# Altium PCB PCB_Kasli.PCBDOC (part 11 of 16)
Units mm, origin at the board's own origin, x right, y up, seen from the top; angles counter-clockwise.
Board outline 200.3 x 100 mm, 6 copper layers (TopLayer, MidLayer1, MidLayer2, SignalLayer1, Internal Plane 1, BottomLayer), stack 1.528 mm thick; 775 components, 636 nets, 3136 pads, 1724 vias.
Unrouted connection lines stored in the file: 7.
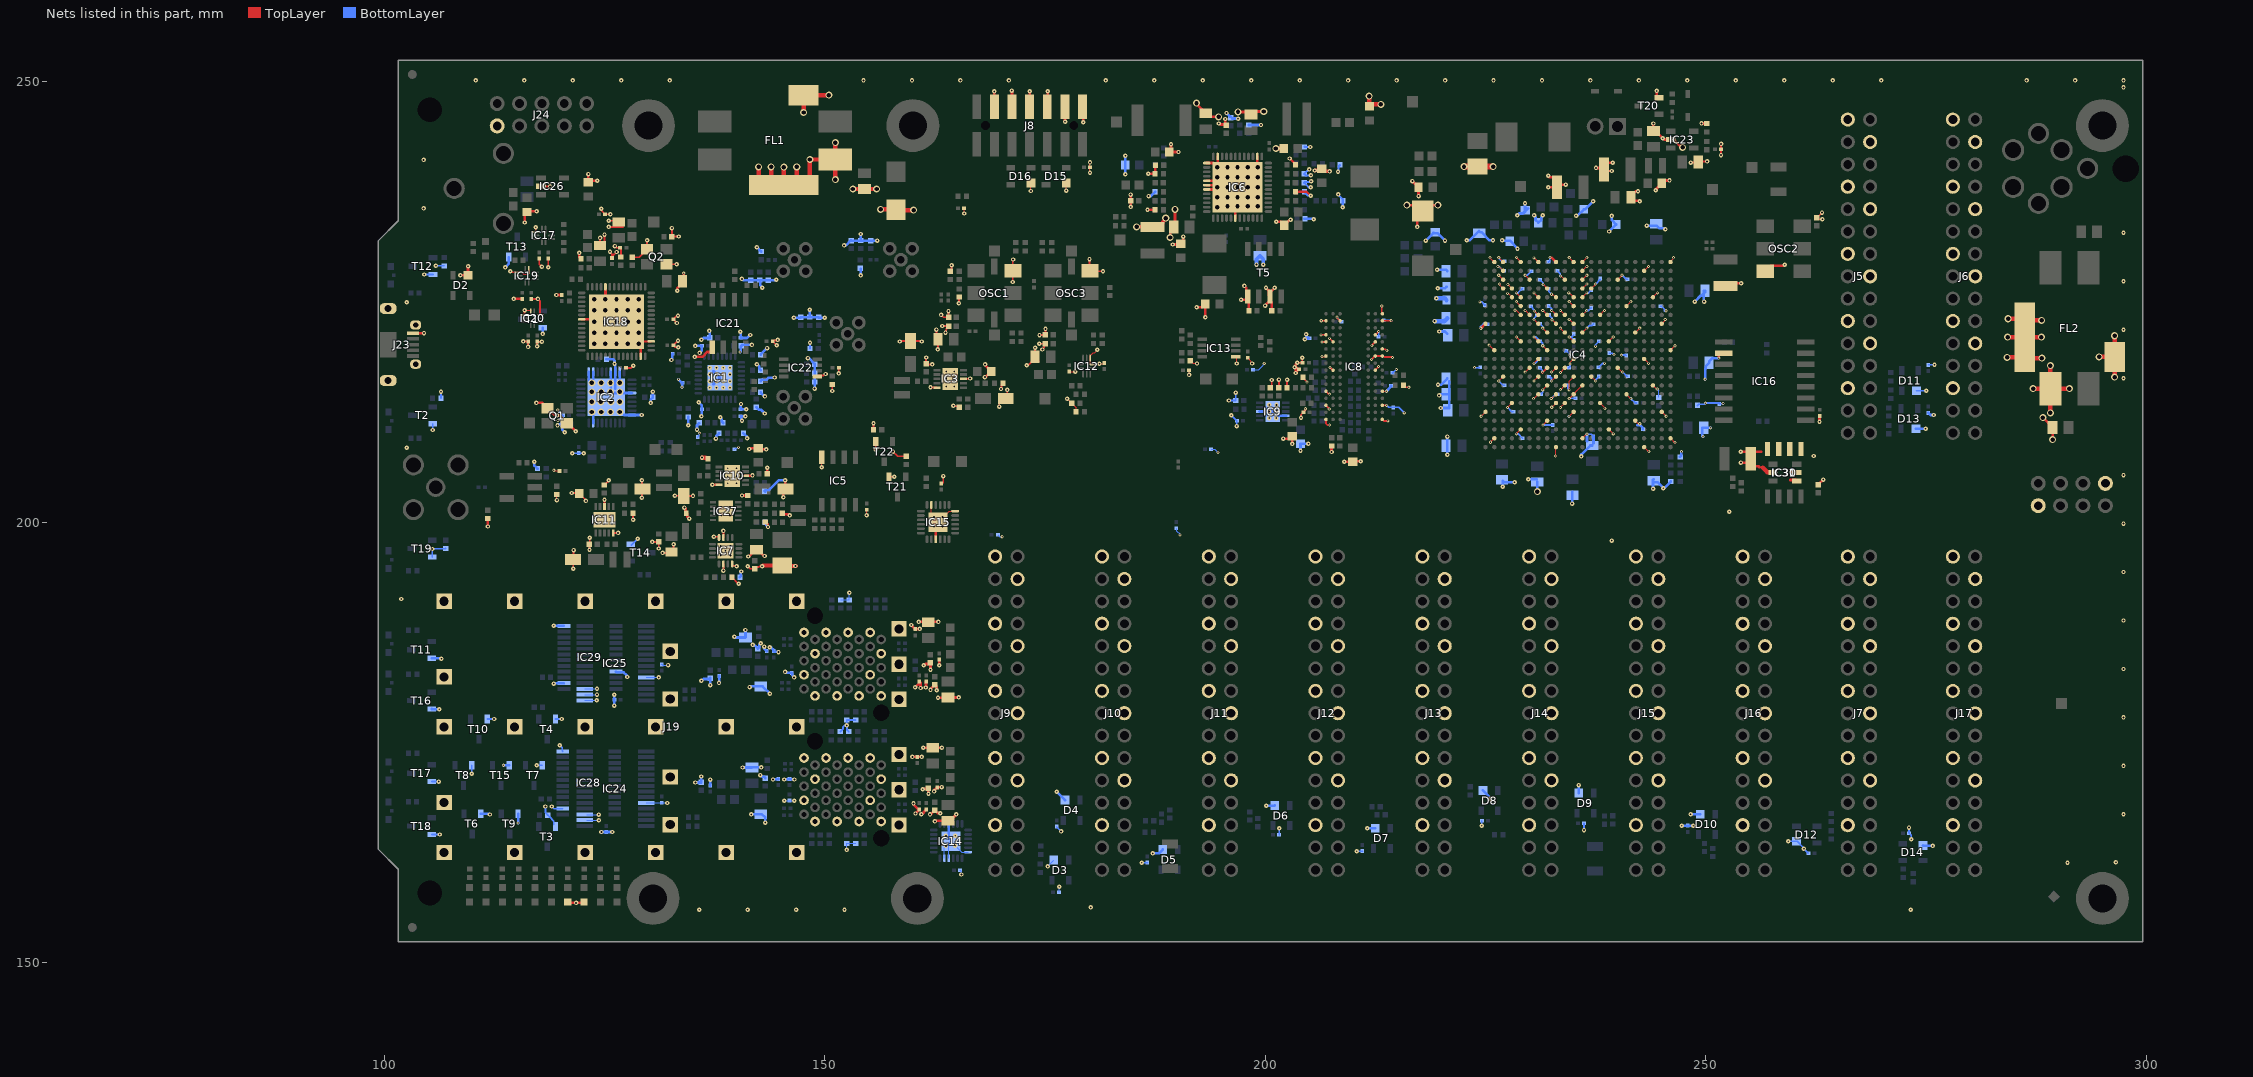
[diagram p15: the nets of this part, all layers, seen from the top]

## Via types
v1: diameter 0.5, hole 0.2, TopLayer to BottomLayer, tented both sides, 845 vias
v2: diameter 0.35, hole 0.15, TopLayer to BottomLayer, tented both sides, 612 vias
v3: diameter 0.8, hole 0.5, TopLayer to BottomLayer, tented both sides, 144 vias
v4: diameter 0.8, hole 0.5, TopLayer to BottomLayer, 66 vias
v5: diameter 0.5, hole 0.2, TopLayer to BottomLayer, 57 vias

## Nets (pads, with @x,y where several pads share a name; then routed paths per layer and width w, separated by ;. In a path a pad name is that pad's centre, name@x,y a point inside that pad or via, vN(x,y) a via of type N, cw(c..) or ccw(c..) an arc to the next point about the centre after c; other vN are vias at no path point) (continued)
GND: C3.1 C5.1 C9.2 C12.1 C13.2 C14.1 C15.1 C16.1 C17.1 C18.1 C19.2 C23.1 C24.1 C25.1 C26.1 C28.1 C29.1 C30.1 C31.1 C32.1 C33.1 C34.1 C35.1 C36.1 C37.1 C38.1 C39.1 C40.1 C41.1 C42.1 C43.1 C44.1 C45.2 C46.1 C47.1 C48.1 C49.1 C52.1 C53.1 C54.1 C55.1 C56.1 C57.1 C58.1 C59.1 C60.1 C61.1 C62.1 C63.1 C64.1 C65.1 C66.1 C67.1 C68.1 C69.1 C70.1 C71.1 C72.1 C73.1 C74.1 C75.1 C76.1 C77.1 C78.1 C79.1 C80.1 C81.1 C82.1 C83.1 C84.1 C85.1 C86.1 C87.1 C88.1 C89.1 C90.1 C91.2 C92.1 C93.1 C94.1 C95.1 C96.1 C97.1 C98.1 C99.1 C100.1 C101.1 C102.1 C103.1 C104.1 C105.1 C106.1 C107.1 C108.1 C109.1 C110.1 C111.1 C112.1 C113.1 C114.1 C115.1 C116.1 C117.1 C118.1 C119.1 C120.1 C121.1 C122.1 C123.1 C124.1 C125.1 C127.1 C128.1 C129.1 C130.1 C131.1 C132.1 C133.1 C135.1 C136.1 C137.1 C138.1 C141.1 C142.1 C144.1 C145.1 C146.1 C147.1 C148.1 C149.1 C152.1 C153.1 C154.1 C156.1 C157.1 C158.1 C160.1 C161.1 C162.1 C163.1 C164.1 C165.1 C166.1 C167.1 C168.1 C169.1 C170.1 C171.1 C172.1 C173.1 C174.1 C175.1 C176.1 C177.1 C178.1 C179.1 C180.1 C181.1 C182.1 C183.1 C184.1 C185.1 C186.1 C187.1 C190.1 C191.1 C192.1 C193.1 C194.1 C195.1 C196.1 C197.1 C198.1 C199.1 C200.1 C201.1 C202.1 C203.1 C204.1 C205.1 C206.1 C207.1 C208.1 C209.1 C210.1 C211.1 C212.1 C213.1 C214.1 C215.1 C216.1 C217.1 C218.1 C219.1 C220.1 C221.1 C222.1 C223.1 C224.1 C225.2 C226.1 C227.1 C229.1 C230.1 C231.1 C232.1 C233.1 C234.1 C235.1 C238.1 C239.1 C240.1 C241.1 C242.1 C243.1 C244.1 C245.1 C258.1 C259.1 C260.1 C261.1 C262.1 C263.1 C264.1 C265.1 C266.1 C267.1 C268.1 C269.1 C270.1 C271.1 C272.1 C273.1 C274.1 C275.1 C276.1 C277.1 C278.1 C279.1 C280.1 C281.1 C286.2 C287.1 C288.1 C289.1 C290.1 C291.1 C293.1 C296.1 C297.1 C298.1 C299.2 C300.2 C304.1 C305.1 C306.1 C307.1 D1.2 D2.1 D3.1 D4.1 D5.1 D6.1 D7.1 D8.1 D9.1 D10.1 D11.1 D12.1 D13.1 D14.1 D15.1 D16.1 D19.2 FL1.4 FL2.4 IC1.33 IC2.8 IC2.19 IC2.20 IC2.24 IC2.25 IC2.26 IC2.31 IC2.36 IC2.37 IC3.5 IC3.8 IC3.11 IC4.A2 IC4.A3 IC4.A5 IC4.A7 IC4.A9 IC4.A11 IC4.A12 IC4.A22 IC4.AA2 IC4.AA12 IC4.AA22 IC4.AB9 IC4.AB19 IC4.B3 IC4.B12 IC4.B19 IC4.C3 IC4.C6 IC4.C10 IC4.C12 IC4.C16 IC4.D3 IC4.D4 IC4.D8 IC4.D12 IC4.D13 IC4.E4 IC4.E5 IC4.E7 IC4.E9 IC4.E11 IC4.E12 IC4.E20 IC4.F5 IC4.F11 IC4.F17 IC4.G5 IC4.G6 IC4.G7 IC4.G8 IC4.G9 IC4.G10 IC4.G12 IC4.G14 IC4.H1 IC4.H7 IC4.H9 IC4.H11 IC4.H21 IC4.J8 IC4.J10 IC4.J12 IC4.J18 IC4.K5 IC4.K7 IC4.K11 IC4.K15 IC4.L2 IC4.L8 IC4.L22 IC4.M7 IC4.M11 IC4.M19 IC4.N6 IC4.N8 IC4.N9 IC4.N10 IC4.N16 IC4.P3 IC4.P7 IC4.P9 IC4.P11 IC4.P13 IC4.R8 IC4.R10 IC4.R12 IC4.R20 IC4.T7 IC4.T9 IC4.T11 IC4.T17 IC4.U4 IC4.U9 IC4.U10 IC4.U14 IC4.V1 IC4.V11 IC4.V21 IC4.W8 IC4.W18 IC4.Y5 IC4.Y15 IC5.4 IC6.2 IC6.11 IC6.13 IC6.17 IC6.18 IC6.19 IC6.30 IC6.49 IC7.6 IC7.8 IC7.15 IC7.16 IC7.17 IC8.A9 IC8.B1 IC8.B3 IC8.B9 IC8.D1 IC8.D8 IC8.E1 IC8.E2 IC8.E8 IC8.F9 IC8.G1 IC8.G8 IC8.G9 IC8.J2 IC8.J8 IC8.M1 IC8.M9 IC8.P1 IC8.P9 IC8.T1 IC8.T9 IC9.4 IC9.8 IC9.11 IC10.5 IC10.8 IC10.11 IC11.5 IC11.8 IC11.11 IC12.2 IC12.3 IC13.1 IC14.9 IC14.18 IC14.22 IC14.23 IC14.25 IC15.9 IC15.18 IC15.23 IC15.25 IC16.10 IC17.3 IC18.10 IC18.21 IC18.41 IC18.45 IC18.57 IC19.1 IC19.3 IC20.2 IC20.3 IC20.10 IC21.5 IC22.1 IC23.2 IC24.10 IC24.16 IC24.17 IC25.10 IC25.15 IC25.16 IC25.17 IC26.2 IC27.11 IC28.2 IC28.12 IC29.2 IC29.12 IC29.21 IC30.2 IC30.4 IC30.5 IC31.1 IC31.2 IC31.3 IC31.4 J5.1 J5.4 J5.7 J5.10 J5.13 J5.16 J5.19 J5.22 J5.25 J6.1 J6.4 J6.7 J6.10 J6.13 J6.16 J6.19 J6.22 J6.25 J7.1 J7.4 J7.7 J7.10 J7.13 J7.16 J7.19 J7.22 J7.25 J8.1 J8.3 J8.5 J8.7 J8.9 J8.11 J9.1 J9.4 J9.7 J9.10 J9.13 J9.16 J9.19 J9.22 J9.25 J10.1 J10.4 J10.7 J10.10 J10.13 J10.16 J10.19 J10.22 J10.25 J11.1 J11.4 J11.7 J11.10 J11.13 J11.16 J11.19 J11.22 J11.25 J12.1 J12.4 J12.7 J12.10 J12.13 J12.16 J12.19 J12.22 J12.25 J13.1 J13.4 J13.7 J13.10 J13.13 J13.16 J13.19 J13.22 J13.25 J14.1 J14.4 J14.7 J14.10 J14.13 J14.16 J14.19 J14.22 J14.25 J15.1 J15.4 J15.7 J15.10 J15.13 J15.16 J15.19 J15.22 J15.25 J16.1 J16.4 J16.7 J16.10 J16.13 J16.16 J16.19 J16.22 J16.25 J17.1 J17.4 J17.7 J17.10 J17.13 J17.16 J17.19 J17.22 J17.25 J19.LB1 J19.LB10 J19.LB11 J19.LB14 J19.LB17 J19.LB20 J19.LT1 J19.LT10 J19.LT11 J19.LT14 J19.LT17 J19.LT20 J19.RB1 J19.RB10 J19.RB11 J19.RB14 J19.RB17 J19.RB20 J19.RT1 J19.RT10 J19.RT11 J19.RT14 J19.RT17 J19.RT20 J19.SHIELD J23.5 J23.6 J24.10 L5.1 LD9.1 LD10.1 OSC1.3 OSC2.3 OSC3.3 pad.1@105.156,246.812 pad.2@105.156,157.912 Q1.2 Q1.4 Q2.2 Q2.4 R2.1 R4.2 R6.2 R7.2 R8.2 R9.1 R13.1 R16.2 R17.1 R18.2 R19.1 R21.2 R23.1 R24.2 R25.1 R26.1 R28.1 R29.1 R30.1 R31.1 R32.1 R33.1 R39.1 R40.1 R43.1 R45.1 R46.1 R47.2 R48.2 R49.2 R60.1 R65.1 R66.2 R67.1 R68.1 R72.1 R76.1 R77.1 R81.1 R84.1 R85.1 R93.1 R123.1 R124.1 R125.1 R126.1 R129.1 R130.1 R140.1 R141.1 R152.2 R153.2 R154.2 R179.1 R181.1 R193.1 R199.1 R201.1 R208.1 R211.1 R212.1 R213.1 R214.1 R215.1 R222.1 R223.1 R227.1 R243.1 R246.1 R247.1 R251.1 R252.2 R255.1 R256.2 R257.1 T1.2 T2.2 T3.2 T4.2 T5.1 T5.3 T6.2 T7.2 T8.2 T9.2 T10.2 T11.2 T12.2 T13.2 T14.2 T15.2 T16.2 T17.2 T18.2 T19.2 T20.2 T21.2 T22.2 TP28.1 TP33.1 | length 786.6
  TopLayer w0.095: v2(119.256,205.885) 119.325,205.885 119.41,205.8 C296.1@119.9,205.8
  TopLayer w0.125: v1(115.94,224.035) 116.61,224.035 116.64,224.005 IC20.2@116.64,223.839 ; v1(119.6,202.5) R13.1@119.6,203.13 ; v1(149.67,206.22) IC5.4@149.67,207.375 ; v1(154.75,200.775) C198.1@154.75,201.4 ; IC15.23@162.106,201.951 162.106,200.751 IC15.25@162.856,200.001 164.106,201.251 IC15.18@164.806,201.251 ; v1(165.825,235.025) C53.1@165.825,235.6 ; v1(173.4,237.575) D16.1@173.4,238.5 ; v1(177.4,237.625) D15.1@177.4,238.5 ; v1(177.5,214) 177.55,214 178.03,213.52 R246.1@178.03,213.5 178.03,213.48 178.424,213.086 178.442,213.086 178.53,212.997 R247.1@178.53,212.5 ; C29.1@177.725,217.1 177.764,217.061 v1(178.434,217.061) ; v1(180.1,239.65) C52.1@180.1,240.25 v1(180.1,240.825) ; IC12.2@180.439,217.914 IC12.2@180.425,217.9 180.174,217.9 180.139,217.935 180.139,218.586 IC12.3@180.125,218.6 180.125,218.9 180.466,219.241 180.616,219.241 v1(180.925,219.55) ; v1@181.114,217.914 v1(181.175,217.975) 181.65,217.975 C28.1@181.725,218.05 C28.1@181.836,218.161 ; v1(191.35,216.7) C192.1@191.35,217.25 ; C186.1@191.5,218.3 191.8,218 v1(192.25,218) ; IC13.1@196.65,218.775 196.75,218.675 v1(196.75,218) ; C193.1@198,218.65 198,218.625 198.428,218.197 198.428,218.072 v1(198.5,218) ; v2(206.429,218.785) 206.823,218.785 IC8.G1@206.886,218.849 ; IC8.M9@213.286,214.849 v2(213.736,214.849) ; v2(224.469,222) v2@224.476,222 ; v2(224.491,212.015) IC4.V1@224.991,212.515 ; v2(225.405,220.086) 225.421,220.086 IC4.L2@225.991,219.515 ; v2@225.461,208.985 v2@225.537,209.06 ; v2(225.491,230.015) IC4.A2@225.991,229.515 ; v2(225.561,209.06) v2@225.537,209.06 ; IC4.AA2@225.991,209.515 v2@225.537,209.06 ; v2(226.491,216.015) IC4.P3@226.991,216.515 ; v2@226.491,227.015 IC4.D3@226.991,226.515 ; v2(226.491,228.015) IC4.C3@226.991,227.515 ; v2@226.491,229.015 IC4.B3@226.991,228.515 ; v2(226.491,230.015) IC4.A3@226.991,229.515 ; v2(227.48,225.961) 227.546,225.961 IC4.E4@227.991,225.515 ; v2(227.491,213.015) IC4.U4@227.991,213.515 ; v2(227.53,226.961) 227.546,226.961 IC4.D4@227.991,226.515 ; v2(228.33,224.04) 228.466,224.04 IC4.G5@228.991,223.515 ; v2(228.491,210.015) IC4.Y5@228.991,210.515 ; v2(228.491,221.015) IC4.K5@228.991,220.515 ; v2(228.491,225.015) IC4.F5@228.991,224.515 ; v2(228.491,226.015) IC4.E5@228.991,225.515 ; v2(228.519,230.05) 228.519,229.987 IC4.A5@228.991,229.515 ; v2(229.491,217.015) IC4.N6@229.991,217.515 ; v2(229.491,224.015) IC4.G6@229.991,223.515 ; v2(229.491,228.015) IC4.C6@229.991,227.515 ; v2(230.432,214.004) 230.48,214.004 IC4.T7@230.991,214.515 ; v2(230.48,229.986) 230.52,229.986 IC4.A7@230.991,229.515 ; v2(230.491,216.015) IC4.P7@230.991,216.515 ; v2(230.491,218.015) IC4.M7@230.991,218.515 ; v2(230.491,221.015) IC4.K7@230.991,220.515 ; v2(230.491,226.015) IC4.E7@230.991,225.515 ; v2(230.494,222.975) 230.531,222.975 IC4.H7@230.991,222.515 ; v2(230.53,223.961) 230.546,223.961 IC4.G7@230.991,223.515 ; v2(231.491,215.015) IC4.R8@231.991,215.515 ; v2(231.491,220.015) IC4.L8@231.991,219.515 ; v2(231.491,222.015) IC4.J8@231.991,221.515 ; v2(231.491,224.015) IC4.G8@231.991,223.515 ; v2(231.525,211.007) 231.525,211.048 IC4.W8@231.991,211.515 ; v2(231.531,226.975) IC4.D8@231.991,226.515 ; v2(232.311,230.036) 232.47,230.036 232.494,230.012 ; v2(232.455,214.035) 232.512,214.035 IC4.T9@232.991,214.515 ; v2(232.48,225.861) 232.523,225.818 232.676,225.818 232.978,225.515 IC4.E9@232.991,225.515 ; v2(232.49,217.027) 232.503,217.027 IC4.N9@232.991,217.515 ; v2(232.491,216.015) IC4.P9@232.991,216.515 ; v2(232.491,224.015) IC4.G9@232.991,223.515 ; v2(232.505,213.035) 232.505,213.029 IC4.U9@232.991,213.515 ; v2(232.53,222.961) 232.546,222.961 IC4.H9@232.991,222.515 ; v2(232.947,207.502) 232.947,208.471 IC4.AB9@232.991,208.515 ; v2(233.48,215.035) 233.512,215.035 IC4.R10@233.991,215.515 ; v2(233.491,213.015) IC4.U10@233.991,213.515 ; v2(233.491,222.015) IC4.J10@233.991,221.515 ; v2(233.491,224.015) IC4.G10@233.991,223.515 ; v2(233.494,227.925) 233.581,227.925 IC4.C10@233.991,227.515 ; v2@233.506,217.029 IC4.N10@233.991,217.515 ; v2(234.471,211.997) 234.474,211.997 IC4.V11@234.991,212.515 ; v2(234.48,215.01) 234.48,216.004 IC4.P11@234.991,216.515 ; v2(234.491,214.015) IC4.R12@235.991,215.515 ; v2(234.491,221.015) IC4.K11@234.991,220.515 ; v2(234.491,223.015) IC4.H11@234.991,222.515 ; v2(234.491,225.015) IC4.F11@234.991,224.515 ; v2@234.491,226.015 IC4.E11@234.991,225.515 ; v2(234.491,230.015) IC4.A11@234.991,229.515 ; v2(234.58,217.935) 234.58,218.054 234.555,218.079 IC4.M11@234.991,218.515 ; IC4.AA12@235.991,209.515 236.442,209.965 v2(236.503,209.965) ; IC4.J12@235.991,221.515 v2(236.491,222.015) ; IC4.G12@235.991,223.515 236.469,223.993 v2(236.469,224) ; IC4.E12@235.991,225.515 v2(236.491,226.015) ; IC4.D12@235.991,226.515 v2(236.491,227.015) ; IC4.C12@235.991,227.515 v2(236.491,228.015) ; IC4.B12@235.991,228.515 v2(236.491,229.015) ; IC4.A12@235.991,229.515 v2(236.491,230.015) ; IC4.P13@236.991,216.515 v2(237.491,216.015) ; IC4.D13@236.991,226.515 v2(237.491,227.015) ; IC4.U14@237.991,213.515 238.535,212.971 v2(238.535,212.912) ; IC4.G14@237.991,223.515 v2(238.491,224.015) ; IC4.Y15@238.991,210.515 v2(239.491,210.015) ; IC4.K15@238.991,220.515 v2(239.491,221.015) ; IC4.N16@239.991,217.515 240.471,217.035 v2(240.556,217.035) ; IC4.C16@239.991,227.515 v2(240.491,228.015) ; IC4.T17@240.991,214.515 v2(241.491,214.015) ; IC4.F17@240.991,224.515 v2(241.491,225.015) ; IC4.W18@241.991,211.515 242.347,211.159 v2(242.497,211.159) ; IC4.J18@241.991,221.515 v2(242.491,222.015) ; IC4.AB19@242.991,208.515 243.471,208.035 v2(243.531,208.035) ; IC4.M19@242.991,218.515 v2(243.491,218.015) ; IC4.B19@242.991,228.515 v2(243.491,229.015) ; IC4.R20@243.991,215.515 244.396,215.11 v2(244.481,215.11) ; IC4.E20@243.991,225.515 v2(244.491,226.015) ; IC4.V21@244.991,212.515 v2(245.491,212.015) ; IC4.H21@244.991,222.515 245.393,222.917 v2(245.393,222.986) v2@245.393,222.996 ; IC4.AA22@245.991,209.515 v2(246.491,209.015) ; IC4.L22@245.991,219.515 v2(246.491,220.015) ; IC4.A22@245.991,229.515 245.991,229.622 246.331,229.961 v2(246.331,230.015)
  TopLayer w0.15: IC19.3@115.305,228.365 115.578,228.365 115.842,228.101 115.999,228.101 116,228.1 116.3,228.1 116.405,228.205 IC19.1@116.405,228.615
  TopLayer w0.2: v1(114.3,228.475) 114.41,228.365 IC19.3@115.305,228.365 ; v1(115.778,220.503) C218.1@116.332,220.503 v1(116.332,219.882) ; IC20.3@115.94,223.539 v1(115.94,224.035) ; C215.1@116.713,225.329 v1(117.444,225.329) 117.675,225.098 117.675,223.604 IC20.10@117.74,223.539 ; IC17.3@117.2,232.947 v1(117.2,233.475) ; C214.1@117.348,220.503 C214.1@117.35,220.501 ; v1(117.35,219.95) C214.1@117.35,220.501 ; C217.1@117.602,229.901 117.602,229.277 v1(117.9,228.979) ; IC26.2@117.8,238.1 v1(118.825,238.1) ; v1(117.9,220.475) 117.376,220.475 C214.1@117.35,220.501 ; v1(118.618,228.918) C213.1@118.618,229.901 ; v1(121.3,203.3) 122.418,203.3 122.429,203.311 122.49,203.25 122.32,203.08 122.9,202.5 v1(122.9,202.4) ; v1(121.45,194.7) C13.2@121.45,195.75 121.5,195.8 v1(121.5,196.825) ; v1(123.3,196.85) C15.1@123.3,197.5 123.325,197.525 v1(123.325,198.225) ; C211.1@123.931,231.58 124.5,231.58 v1(124.5,232.25) ; v1(124.631,235.561) 124.631,235.383 C204.1@125.064,234.95 v1(125.675,234.95) ; IC11.8@125,201.75 v1(125,202.525) ; R25.1@125,204.22 125.02,204.22 125.5,204.7 v1(125.5,204.75) ; C211.1@125,231.337 v1(125,232.632) ; v1(125.5,233.5) 127.091,233.5 126.391,234.2 v1(125.5,234.2) ; v1(125.625,230.675) 125.625,230.64 125.857,230.408 ; IC11.5@126,198.75 126.025,198.775 v1(126.55,198.775) ; v1(126.183,231.323) 126.365,231.14 C210.1@126.777,231.14 ; v1(126.375,230.65) 126.091,230.366 ; R199.1@126.873,230.086 C210.1@126.873,231.044 ; C221.1@127.45,217.5 128.05,217.5 128.281,217.731 v1(128.281,217.736) ; C208.1@128.143,230.066 128.929,230.066 Q2.2@129.837,230.974 v1(129.837,231.986) ; R252.2@128.22,201 128.235,200.985 128.235,200.29 v1(128.25,200.275) ; IC18.57@128.615,220.508 IC18.45@130.315,220.508 IC18.45@130.315,220.558 ; v1(129.25,202.75) 129.25,203.7 C45.2@129.3,203.75 129.25,203.8 v1(129.25,204.75) ; v1(130.425,197.75) C38.1@131.175,197.75 ; v1(131.175,197) C38.1@131.175,197.75 ; v1(131.6,196.5) 132.5,196.5 C18.1@132.6,196.6 132.7,196.5 132.85,196.65 v1(132.85,197.475) ; Q2.4@132.037,229.274 v1(133.184,229.274) ; v1(132.657,233.368) C207.1@132.657,232.41 v1(133.435,232.41) ; C224.1@132.825,220.118 C224.1@132.825,220.075 ; v1(133,203) 133.95,203 C225.2@134,202.95 134.025,202.975 v1(135.05,202.975) ; v1(133.223,222.6) C222.1@132.811,223.012 133.224,223.425 v1(133.35,223.425) ; v1(133.35,220.575) 133.325,220.575 C224.1@132.825,220.075 ; v1(133.375,219.85) 133.05,219.85 C224.1@132.825,220.075 ; v1(137.425,198.325) 137.925,198.325 IC7.16@138,198.25 ; v1(138.5,194.5) IC7.6@138.5,195.25 ; IC7.15@138.5,198.25 v1(138.5,199) ; R26.1@139.47,193.75 139.47,193.73 140.2,193 v1(140.25,193) ; IC7.8@139.5,195.25 139.5,195.103 139.546,195.057 139.942,195.057 v1(140,195) ; v1(141.25,195) 141.55,194.7 C245.1@142.05,194.7 142.25,194.9 142.5,194.9 142.555,194.955 142.855,194.955 v1(142.894,194.994) ; v1@144.556,220.056 v1(144.544,220.068) 144.532,220.068 C219.1@144.1,220.5 144.2,220.6 144.594,220.6 v1(144.669,220.675) v1@144.675,220.675 ; IC22.1@149.15,216.525 149.25,216.625 149.835,216.625 150.015,216.805 v1(150.096,216.805) v1@150.125,216.776 ; v1(150.85,214.875) R208.1@150.85,215.63 ; v1(151.6,216.875) C220.1@151.6,217.5 ; R46.1@155.53,210.5 v1(155.53,211.22) ; v1(155.8,208.2) T22.2@155.8,209.15 ; T21.2@157.3,205.15 v1(157.9,205.15) ; v1(157.75,208) 158.279,207.47 R33.1@159.25,207.47 ; v1(158.5,220.5) 158.55,220.55 C9.2@159.75,220.55 160.95,220.55 v1(161,220.5) ; v1(161.525,218.675) 161.505,218.655 161.505,217.955 C12.1@161.5,217.95 161.55,217.9 v1(162.2,217.9) ; v1(162,215.3) 162.025,215.275 162.725,215.275 IC3.5@162.75,215.25 ; v1(162.675,221.85) 162.68,221.845 162.68,220.92 C288.1@162.85,220.75 162.85,219.625 v1(162.825,219.6) ; v1(163.208,223.511) 163.214,223.511 163.475,223.25 C226.1@164.05,223.25 v1(164.05,223.95) ; v1(163.325,222.25) C287.1@164.05,222.25 163.84,222.04 163.84,221.963 163.8,221.923 163.8,221.778 163.765,221.743 163.765,221.568 v1(163.708,221.511) ; C197.1@163.35,204.375 163.458,204.483 163.458,205.217 v1(163.45,205.225) ; R40.1@164.25,228.47 164.4,228.62 v1(164.4,229.15) ; v1(164.6,213.2) 164.657,213.142 165.138,213.142 R251.1@165.25,213.03 ; v1(165.225,224.825) 165.245,224.845 165.245,225.525 R39.1@165.25,225.53 ; IC3.8@165.75,216.25 165.775,216.275 166.475,216.275 v1(166.5,216.3) ; v1(169.8,213.107) 169.8,213.475 170.325,214 C19.2@170.55,214 170.7,214.15 v1(170.7,215) ; v1(170,215.1) 170.057,215.157 170.057,215.587 R28.1@170.22,215.75 ; v1(171.35,227.25) 171.35,229.775 v1(171.375,229.8) ; v1(172.925,217.8) 173.075,217.8 173.425,218.15 173.425,218.189 C289.1@173.625,218.389 ; v1(173.875,219.775) 173.875,218.775 C289.1@173.85,218.75 ; C289.1@174.266,218.234 174.111,218.389 C289.1@173.625,218.389 ; v1(174.35,220.25) C290.1@175.05,220.25 174.9,220.1 174.9,219.858 174.708,219.667 v1(174.708,219.586) ; v1(174.375,221.225) 175.025,221.225 C291.1@175.05,221.25 v1(175.05,221.925) ; v1(180.05,229.85) 180.05,228.565 180.1,228.515 180.121,228.536 180.182,228.475 v1(181.575,228.475) ; R129.1@200.569,215.245 200.744,215.42 v1(200.744,216.125) ; C175.1@201.544,215.25 v1(201.544,216.175) ; R124.1@202.474,215.25 v1(202.474,216.155) ; v1(203.319,217.575) 203.444,217.575 203.594,217.575 C168.1@203.844,217.325 v1(203.444,216.925) ; v1(203.619,218.075) C162.1@204.244,218.075 204.194,218.125 v1(204.194,218.65) ; v1(204.054,211.835) 204.054,212.18 204.322,212.448 C167.1@204.319,212.45 204.55,212.68 v2(204.55,212.865) v2@204.56,212.875 ; R126.1@204.299,216.45 204.299,216.345 204.729,215.916 v2(204.729,215.885) ; v2(206.32,221.249) IC8.D1@206.886,221.249 ; v2(206.345,222.849) IC8.B1@206.886,222.849 ; v2(206.436,220.449) IC8.E1@206.886,220.449 ; IC8.P1@206.855,213.28 206.85,213.275 207.254,212.871 v2(207.254,212.835) ; IC8.P1@206.881,213.255 IC8.P1@206.886,213.249 ; IC8.T1@206.886,211.649 206.886,211.186 207.048,211.025 v2(207.269,211.025) ; IC8.M1@206.886,214.849 207.21,214.525 v2(207.268,214.525) ; v2(207.285,220.85) IC8.E2@207.686,220.449 ; v2(207.343,217.535) 207.352,217.525 207.383,217.525 207.659,217.249 IC8.J2@207.686,217.249 ; v2(208.129,223.261) 208.129,223.206 IC8.B3@208.486,222.849 ; v2(212.069,218.475) 212.443,218.849 IC8.G8@212.486,218.849 IC8.G9@213.286,218.849 213.292,218.855 213.388,218.855 213.498,218.746 214.369,218.746 v2(214.429,218.685) ; v2(212.094,220.057) IC8.E8@212.486,220.449 ; IC8.J8@212.486,217.249 212.486,217.271 212.854,217.639 v2(212.854,217.66) ; IC8.D8@212.486,221.249 v2(212.862,221.625) ; v2(213.218,224.523) 213.218,223.718 IC8.A9@213.286,223.649 ; IC8.P9@213.286,213.249 v2(213.768,213.249) ; IC8.F9@213.286,219.649 213.325,219.611 213.638,219.611 213.76,219.49 v2(213.8,219.49) ; IC8.B9@213.298,222.861 v2(214.279,222.861) ; IC8.T9@213.335,211.6 213.45,211.485 v2(213.904,211.485) ; R125.1@215.664,215.3 v2(216.294,215.3) ; v2@231.491,217.015 IC4.N8@231.991,217.515 ; v1(251.719,241.65) C232.1@251.719,242.3 251.722,242.303 251.722,242.922 v1(251.725,242.925) ; v1(263.175,235.125) C238.1@262.6,234.55 262.775,234.375 v1(263.231,234.375) ; 125.857,230.408 125.899,230.366 126.091,230.366 ; 125.857,230.408 C212.1@125.857,229.966 125.957,230.066 125.957,230.232 126.091,230.366 ; C289.1@173.625,218.389 173.85,218.614 C289.1@173.85,218.75 ; C289.1@173.625,218.389 173.489,218.389 C289.1@173.85,218.75
  TopLayer w0.25: v1(202.76,241.262) 202.763,241.262 203.416,240.609 R68.1@203.416,240.538 ; R60.1@203.416,237.49 204.685,237.49 v1(205.15,237.025) ; v1(217.25,233.5) 217.25,234.36 217.15,234.46 217.386,234.696 C91.2@217.386,234.817 ; C91.2@217.386,235.975 C91.2@217.386,234.817 ; C91.2@217.869,235.3 C91.2@217.386,234.817 ; C235.1@238.444,240 238.594,239.85 v1(239.319,239.85) ; v1(244.419,248.938) 244.419,248.286 T20.2@244.469,248.236 ; v1(248.285,240.8) C137.1@249.135,240.8 ; v1@250.089,240.985 v1(250.137,240.937) C137.1@249.636,240.937 ; C137.1@249.135,240.8 249.369,240.8 249.434,240.735 C137.1@249.636,240.937 ; C137.1@249.135,240.8 249.272,240.937 C137.1@249.636,240.937
  TopLayer w0.3: J23.5@103.404,221.45 v1(104.525,221.45) ; v1(108.652,228.023) D2.1@109.522,228.023 v1(109.522,229.025) ; v1(111.773,199.5) R214.1@111.773,200.405 ; v1(114.712,225.329) C216.1@115.697,225.329 ; v1(115.95,234) 115.95,234.875 116.175,235.1 C202.1@116.2,235.1 ; C202.1@116.2,235.275 v1(117.3,235.275) ; v1@117.275,213.53 v1(117.275,213.525) 117.949,213.525 Q1.2@118.534,212.94 119.384,212.09 ; v1(119.55,225.775) C223.1@120.142,225.775 ; 119.884,212.09 Q1.4@120.734,211.24 120.81,211.24 v1(121.75,210.3) ; LD10.1@120.777,156.782 v1(121.782,156.782) LD9.1@122.64,156.782 ; v1(122.15,230.55) 122.15,230.059 R201.1@122.339,229.87 ; IC18.21@122.415,223.008 IC18.57@126.115,223.008 ; v1(123.175,239.5) 123.175,238.62 123.304,238.75 v1(124.175,238.75) ; IC18.57@125.115,224.008 IC18.10@125.115,226.708 ; IC18.41@129.115,218.808 IC18.57@129.115,220.008 ; v1(133.25,226.25) 133.25,226.5 133.869,227.119 C206.1@133.869,227.33 ; C206.1@133.769,227.33 133.75,227.349 134,227.599 v2(134,228.25) ; v1(134.075,201.65) 134.2,201.525 134.2,201.1 D19.2@134.3,201 134.4,200.9 134.4,200.625 v1(134.625,200.4) ; v1(135.25,218.75) 136.115,218.75 136.662,219.297 137.068,219.297 137.218,219.447 IC21.5@137.218,219.853 ; v1(137.25,204.25) IC10.5@138,204.25 ; v1(140.605,203.02) R212.1@141.25,203.02 ; IC10.8@141,205.25 141.696,205.25 v1@141.746,205.3 ; v1(141.316,196.1) 141.354,196.138 141.438,196.138 141.675,196.376 141.675,196.45 142.075,196.85 C3.1@142.25,196.85 142.425,196.85 143.125,196.15 v1(143.175,196.15) ; v1@141.479,208.3 141.554,208.375 C279.1@142.45,208.375 142.575,208.25 v1(143.375,208.25) ; R257.1@143.25,200.03 143.337,199.943 143.357,199.943 143.41,199.89 143.41,199.87 R257.1@143.521,199.759 ; R255.1@143.47,205.5 v1(143.47,206.17) ; C304.1@145.2,201 145.307,200.893 145.835,200.893 145.971,200.757 v1(146.025,200.757) ; v1(145.308,202.812) 145.308,203.508 C286.2@145.55,203.75 145.5,203.8 v1(145.5,204.75) ; v1(159.825,188.325) 159.825,188.275 160.175,187.925 160.2,187.925 160.25,187.875 C265.1@160.25,187.85 160.262,187.862 160.763,187.862 v1(160.775,187.875) ; v1(159.95,173.35) C281.1@160.5,173.35 v1(161,173.35) ; v1(160.075,168.075) 160.075,167.95 C277.1@160.7,167.325 ; v1(160.25,181.25) 160.745,181.745 160.745,181.895 C262.1@160.75,181.9 160.75,181.875 160.875,181.75 v1(160.875,181.175) ; v1(160.3,166.925) C277.1@160.7,167.325 ; v1(160.675,188.675) 161.725,188.675 C264.1@161.75,188.65 161.775,188.675 v1(162.9,188.675) ; C277.1@160.75,167.4 160.75,167.375 C277.1@160.7,167.325 ; v1(160.975,166.85) 161.074,166.85 161.249,167.025 161.249,167.124 161.5,167.375 C276.1@161.5,167.4 C276.1@161.488,167.388 ; v1(161.133,169.683) 161.171,169.722 161.672,169.722 C244.1@161.75,169.8 161.763,169.787 161.763,169.188 v1(161.775,169.175) ; v1(161.175,174.4) C280.1@162.25,174.4 v1(163.3,174.4) ; v1(161.25,183.75) 161.304,183.75 161.444,183.89 161.84,183.89 C259.1@162,184.05 v1@162,183.25 ; v1(161.475,181.225) 161.5,181.25 C263.1@161.5,181.9 ; v1(161.95,166.825) 161.988,166.863 162.063,166.863 C275.1@162.5,167.3 162.812,166.988 163.062,166.988 v1(163.1,166.95) ; v1(162,180.95) 162.038,180.988 162.038,181.088 C261.1@162.5,181.55 162.66,181.39 162.66,181.28 162.7,181.24 v1(162.7,180.925) ; v1(162.408,169.433) 162.446,169.472 162.446,169.588 162.684,169.825 162.7,169.825 162.75,169.875 C160.1@162.75,169.9 162.762,169.912 163.263,169.912 v1(163.275,169.925) ; v1(162.508,166.033) 162.562,166.033 162.629,166.1 C274.1@164,166.1 164.2,166.1 v1(164.925,166.825) ; IC15.9@162.606,198.051 IC15.25@162.606,199.751 ; v1(162.85,180.075) 162.859,180.084 163.984,180.084 C260.1@164,180.1 v1(165.2,180.1) ; v1@163,183.75 C258.1@163,184.4 ; v1(168.175,216.46) 168.213,216.498 168.298,216.498 168.525,216.725 168.575,216.725 C16.1@168.9,217.05 ; v1(168.2,217.9) 168.238,217.861 168.238,217.762 168.525,217.475 168.575,217.475 C16.1@168.9,217.15 ; J8.11@169.25,247.125 v1(169.25,248.875) ; v1(171.225,248.975) 171.25,248.95 J8.9@171.25,247.125 ; J8.7@173.25,247.125 173.275,247.15 v1(173.275,248.9) ; J8.5@175.25,247.125 175.3,247.175 v1(175.3,248.9) ; J8.3@177.25,247.125 177.275,247.1 v1(177.275,245.425) ; J8.1@179.25,247.125 179.35,247.025 v1(179.35,245.375) ; v1(184.716,237.166) C230.1@184.716,236.474 184.725,236.465 v1(184.725,235.775) ; v1(186.633,235.458) R76.1@187.49,235.458 ; v1(186.728,239.522) R84.1@187.49,239.522 ; R84.1@187.5,239.5 187.5,240.47 R81.1@187.53,240.5 ; v3(189.2,232.3) 189.2,233.1 C130.1@189.6,233.5 189.75,233.65 v3(189.75,235.5) ; v1(189.3,242.875) 189.3,242 v1(190.15,242) ; v1(189.5,231.5) 190.3,231.5 C145.1@190.4,231.6 190.7,231.3 v1(190.7,232.4) ; v3(192.19,247.54) 192.19,247.46 C133.1@193.25,246.4 ; v1(192.2,224.375) 192.825,224.375 C146.1@193.2,224.75 v1(193.2,223.25) ; IC6.19@193.35,237.748 IC6.49@196.6,237.748 ; IC6.18@193.35,238.248 196.6,238.248 v4(196.85,237.998) IC6.49@196.6,237.748 ; IC6.17@193.35,238.748 IC6.49@196.1,238.748 ; IC6.13@193.35,240.748 IC6.49@194.1,240.748 ; C133.1@193.637,246.188 193.825,246 193.85,246 v3(194.7,246) ; C133.1@193.637,246.213 C133.1@193.7,246.275 ; IC6.49@194.6,240.248 IC6.11@194.6,241.498 ; v1@194.764,245.237 194.876,245.125 C154.1@195.507,245.125 ; v1(195.45,245.75) 195.45,245.182 C154.1@195.507,245.125 ; C154.1@195.58,245.052 C154.1@195.507,245.125 ; IC6.30@196.6,234.498 IC6.49@196.6,237.748 ; v3(196.9,246.55) 198.088,246.55 C132.1@198.374,246.264 198.71,246.6 v3(199.825,246.6) ; v1(197.25,225.225) 197.845,225.225 197.995,225.375 T5.1@197.995,225.6 197.854,225.741 197.854,226.571 v1(197.625,226.8) ; R49.2@198.13,224 T5.1@198.13,225.465 ; IC6.49@199.1,240.248 IC6.2@199.1,241.498 ; v1(199.975,224.575) 200.375,224.975 200.385,224.975 T5.3@200.535,225.125 ; v1(200.075,226.6) 200.385,226.29 200.385,225.75 T5.3@200.535,225.6 ; R66.2@200.73,224 200.73,224.93 T5.3@200.535,225.125 ; v1(201.05,226.59) 200.535,226.075 T5.3@200.535,225.6 ; v1(201.245,234.088) 201.738,234.088 C127.1@202.146,233.68 ; v1(202.044,209.475) 202.794,209.475 C176.1@203.069,209.75 v1(203.069,208.875) ; C127.1@202.151,233.675 C127.1@202.146,233.68 ; C127.1@202.205,233.68 C127.1@202.146,233.68 ; v1@202.871,234.321 v1(202.871,234.3) 202.766,234.3 C127.1@202.146,233.68 ; v1(203.444,216.925) 203.444,217.575 203.444,217.9 v1@203.494,217.95 ; v1(207.519,207.95) R123.1@207.519,208.63 ; v1(208.969,206.85) C174.1@209.919,206.85 209.969,206.9 v1(210.819,206.9) ; IC8.B9@213.286,222.849 IC8.B9@213.298,222.861 ; v2@214.269,222.851 v2(214.279,222.861) ; v3(216.075,235.975) 217.386,235.975 v3(219.575,235.975) ; v1(216.7,238.7) 216.7,238.682 217.011,238.371 217.061,238.371 217.386,238.046 C129.1@217.386,237.996 217.386,237.014 v1(217.4,237) ; v2@224.476,222 IC4.H1@224.991,222.515 ; v2@231.459,216.985 231.47,216.996 v2(231.47,217.015) v2@231.491,217.015 ; v1(232.1,238) C56.1@233.1,238 ; v1(232.1,239.3) 232.269,239.131 232.675,239.131 233.1,238.706 C56.1@233.1,238 ; 232.494,230.012 IC4.A9@232.991,229.515 ; v1@234.154,238.3 v1(234.1,238.3) 233.4,238.3 C56.1@233.1,238 ; v1(237.526,240.192) 237.887,240.192 238.019,240.325 238.344,240 238.344,240.6 238.519,240.775 v1(239.419,240.775) ; v1(242.294,237.55) 242.044,237.55 241.344,236.85 241.744,236.45 242.443,236.45 v1(242.493,236.4) ; v1(244.047,245.241) C231.1@244.047,244.388 244.281,244.388 v1(245.119,243.55) 245.251,243.418 IC23.2@246.017,243.418 246.351,243.418 247.244,242.525 v3(247.369,242.525) ; v1(244.325,237.65) 244.325,237.775 C233.1@245,238.45 244.987,238.463 245.299,238.775 v1(245.875,238.775) ; v1@249.511,245.239 250.106,245.239 R67.1@250.117,245.228 ; v2@251.469,218.755 251.469,219.175 IC16.10@252.05,219.175 ; C58.1@252.219,226.8 252.519,227.1 v1(254,227.1) ; v1(253.972,207.997) C54.1@255.175,207.997 ; v1(253.975,206.75) 254.75,206.75 C54.1@255.1,207.1 ; C54.1@255.2,207.925 C54.1@255.2,207.675 ; 256.05,206.25 255.949,206.351 255.525,206.351 255.1,206.776 C54.1@255.1,207.1 ; 256.25,208 255.525,208 C54.1@255.2,207.675 ; OSC2.3@256.743,228.482 256.943,228.482 OSC2.3@257.568,229.107 ; OSC2.3@256.843,228.582 257.368,229.107 OSC2.3@257.568,229.107 ; v1(258.95,229.2) 258.896,229.2 258.803,229.107 OSC2.3@257.568,229.107 ; 259.568,204.78 260.22,204.78 IC30.4@260.325,204.675 ; 259.568,205.73 260.22,205.73 IC30.5@260.325,205.625 ; C307.1@262.75,204.25 v1(263.325,204.825) ; v1(262.9,211.4) C161.1@262.9,212.05 ; v3(288.25,211.85) C5.1@289.35,210.75 v3(289.35,209.35) ; T5.3@200.535,225.125 T5.3@200.535,225.6 ; C54.1@255.1,207.1 255.2,207.2 C54.1@255.2,207.675 ; C54.1@255.1,207.1 C54.1@255.1,207.2 255.1,207.575 C54.1@255.2,207.675